# Altium PCB Transfer_V1_Pcb.PcbDoc (part 2 of 2)
Units mm, origin at the board's own origin, x right, y up, seen from the top; angles counter-clockwise.
Board outline 70 x 58.85 mm, 2 copper layers (Top Layer, Bottom Layer); 264 components, 30 nets, 720 pads, 84 vias.
Unrouted connection lines stored in the file: 1.
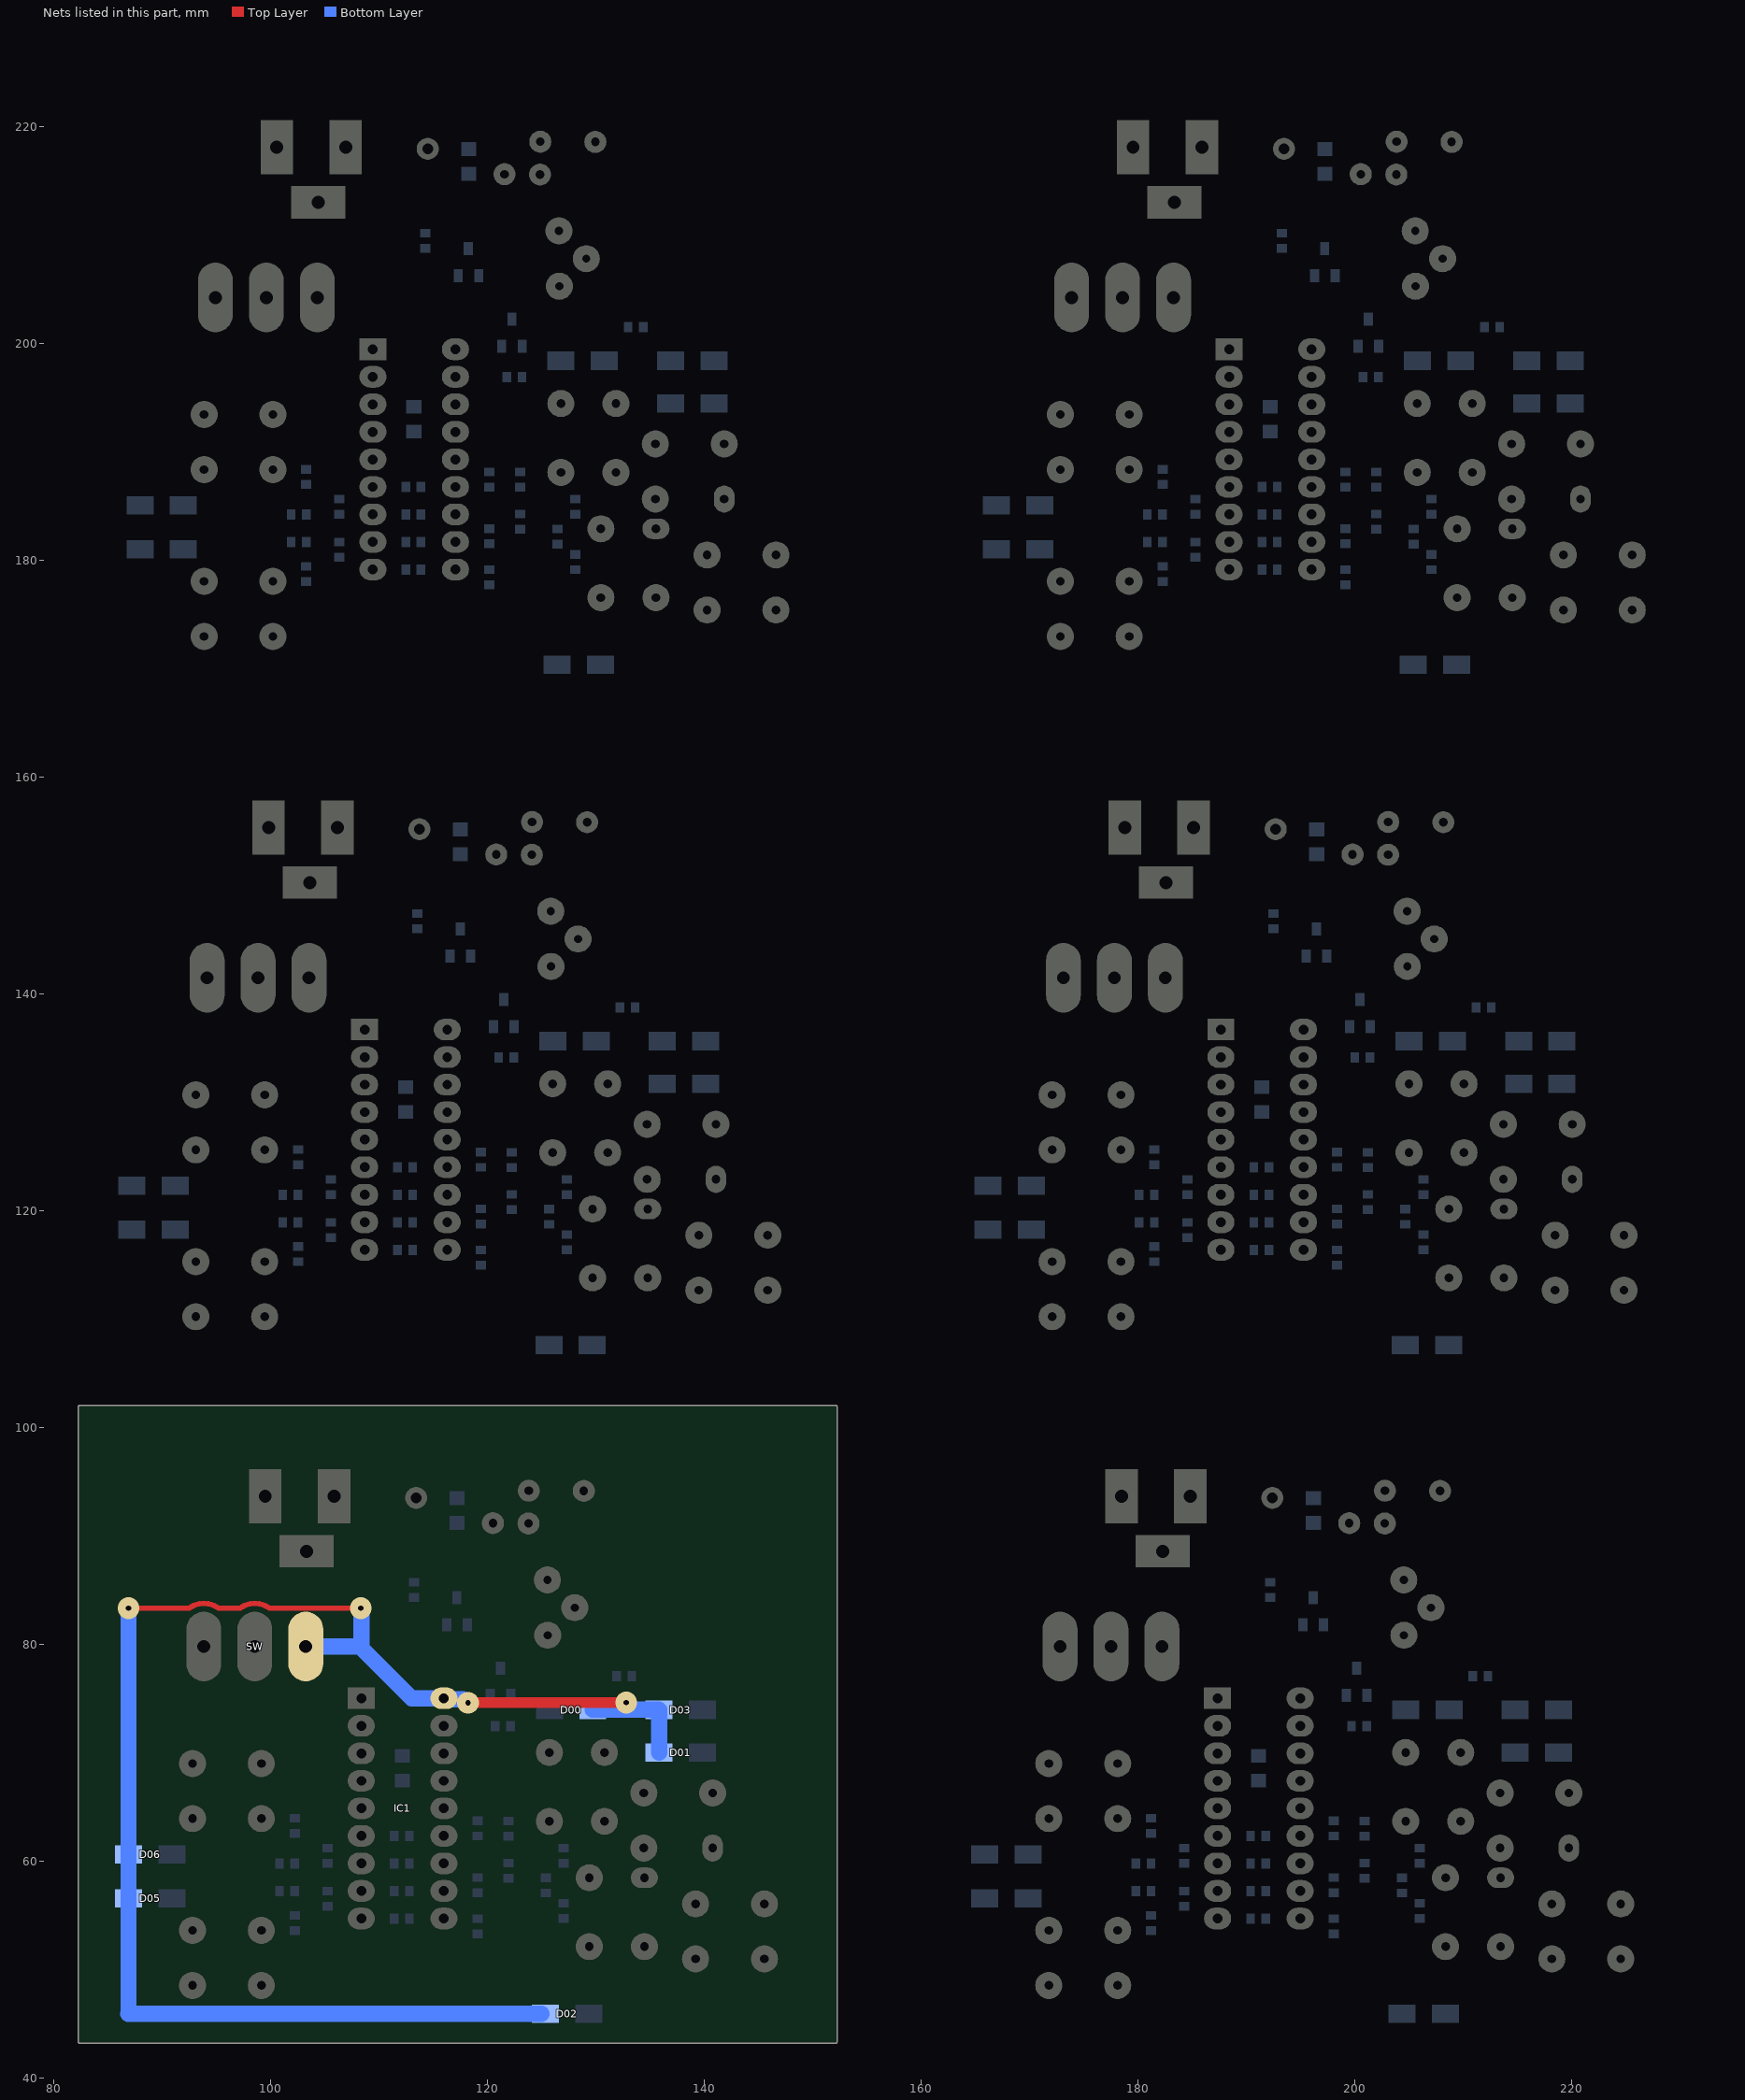
[diagram p2: the nets of this part, all layers, seen from the top]

## Via types
v1: diameter 2, hole 0.5, Top Layer to Bottom Layer, 72 vias
v2: diameter 2, hole 0.8, Top Layer to Bottom Layer, 6 vias
v3: diameter 1, hole 0.5, Top Layer to Bottom Layer, 6 vias

## Nets (pads, with @x,y where several pads share a name; then routed paths per layer and width w, separated by ;. In a path a pad name is that pad's centre, name@x,y a point inside that pad or via, vN(x,y) a via of type N, cw(c..) or ccw(c..) an arc to the next point about the centre after c; other vN are vias at no path point) (continued)
VCC: D00.2 D01.2 D02.2 D03.2 D05.2 D06.2 IC1.18 SW.1 | length 143.6
  Top Layer w0.5: v1@87.122,83.312 92.488,83.312 cw(c93.853,81.389) 95.218,83.312 97.188,83.312 cw(c98.553,81.389) 99.918,83.312 v1@108.06,83.312
  Top Layer w1: v1(86.9,83.312) 86.9,83.128 86.919,83.109 v1@87.122,83.312 ; v1@108.06,83.312 v1(108.331,83.312) ; v1(118.225,74.581) 118.244,74.6 v1(132.807,74.6)
  Bottom Layer w1.5: v1(86.9,83.312) D06.2@86.9,60.604 D05.2@86.9,56.54 86.9,45.904 86.893,45.898 D02.2@124.993,45.898 ; SW.1@103.253,79.781 108.412,79.781 108.412,83.231 v1(108.331,83.312) ; 108.333,79.703 113.03,75.006 IC1.18@116.002,75.006 116.097,74.911 117.761,74.911 118.09,74.581 v1(118.225,74.581) ; D00.2@129.737,73.939 129.762,73.965 v1@132.817,73.965 ; v1(132.807,74.6) 132.817,74.59 v1@132.817,73.965 ; D01.2@135.846,70 D03.2@135.846,73.939 135.82,73.965 v1@132.817,73.965
pads on no net: 12V_1.1 12V_1.2 12V_1.3 12V_1_1.1 12V_1_1.2 12V_1_1.3 12V_2.1 12V_2.2 12V_2.3 12V_2_1.1 12V_2_1.2 12V_2_1.3 12V_3.1 12V_3.2 12V_3.3 ANT_1.TP1 ANT_1_1.TP1 ANT_2.TP1 ANT_2_1.TP1 ANT_3.TP1 C00_1.1 C00_1.2 C00_1_1.1 C00_1_1.2 C00_2.1 C00_2.2 C00_2_1.1 C00_2_1.2 C00_3.1 C00_3.2 C01_1.1 C01_1.2 C01_1_1.1 C01_1_1.2 C01_2.1 C01_2.2 C01_2_1.1 C01_2_1.2 C01_3.1 C01_3.2 C02_1.1 C02_1.2 C02_1_1.1 C02_1_1.2 C02_2.1 C02_2.2 C02_2_1.1 C02_2_1.2 C02_3.1 C02_3.2 C03_1.1 C03_1.2 C03_1_1.1 C03_1_1.2 C03_2.1 C03_2.2 C03_2_1.1 C03_2_1.2 C03_3.1 C03_3.2 C04_1.1 C04_1.2 C04_1_1.1 C04_1_1.2 C04_2.1 C04_2.2 C04_2_1.1 C04_2_1.2 C04_3.1 C04_3.2 C05_1.1 C05_1.2 C05_1_1.1 C05_1_1.2 C05_2.1 C05_2.2 C05_2_1.1 C05_2_1.2 C05_3.1 C05_3.2 C06_1.1 C06_1.2 C06_1_1.1 C06_1_1.2 C06_2.1 C06_2.2 C06_2_1.1 C06_2_1.2 C06_3.1 C06_3.2 C07_1.1 C07_1.2 C07_1_1.1 C07_1_1.2 C07_2.1 C07_2.2 C07_2_1.1 C07_2_1.2 C07_3.1 C07_3.2 D00_1.1 D00_1.2 D00_1_1.1 D00_1_1.2 D00_2.1 D00_2.2 D00_2_1.1 D00_2_1.2 D00_3.1 D00_3.2 D01_1.1 D01_1.2 D01_1_1.1 D01_1_1.2 D01_2.1 D01_2.2 D01_2_1.1 D01_2_1.2 D01_3.1 D01_3.2 D02_1.1 D02_1.2 D02_1_1.1 D02_1_1.2 D02_2.1 D02_2.2 D02_2_1.1 D02_2_1.2 D02_3.1 D02_3.2 D03_1.1 D03_1.2 D03_1_1.1 D03_1_1.2 D03_2.1 D03_2.2 D03_2_1.1 D03_2_1.2 D03_3.1 D03_3.2 D05_1.1 D05_1.2 D05_1_1.1 D05_1_1.2 D05_2.1 D05_2.2 D05_2_1.1 D05_2_1.2 D05_3.1 D05_3.2 D06_1.1 D06_1.2 D06_1_1.1 D06_1_1.2 D06_2.1 D06_2.2 D06_2_1.1 D06_2_1.2 D06_3.1 D06_3.2 IC1_1.1 IC1_1.2 IC1_1.3 IC1_1.4 IC1_1.5 IC1_1.6 IC1_1.7 IC1_1.8 IC1_1.9 IC1_1.10 IC1_1.11 IC1_1.12 IC1_1.13 IC1_1.14 IC1_1.15 IC1_1.16 IC1_1.17 IC1_1.18 IC1_1_1.1 IC1_1_1.2 IC1_1_1.3 IC1_1_1.4 IC1_1_1.5 IC1_1_1.6 IC1_1_1.7 IC1_1_1.8 IC1_1_1.9 IC1_1_1.10 IC1_1_1.11 IC1_1_1.12 IC1_1_1.13 IC1_1_1.14 IC1_1_1.15 IC1_1_1.16 IC1_1_1.17 IC1_1_1.18 IC1_2.1 IC1_2.2 IC1_2.3 IC1_2.4 IC1_2.5 IC1_2.6 IC1_2.7 IC1_2.8 IC1_2.9 IC1_2.10 IC1_2.11 IC1_2.12 IC1_2.13 IC1_2.14 IC1_2.15 IC1_2.16 IC1_2.17 IC1_2.18 IC1_2_1.1 IC1_2_1.2 IC1_2_1.3 IC1_2_1.4 IC1_2_1.5 IC1_2_1.6 IC1_2_1.7 IC1_2_1.8 IC1_2_1.9 IC1_2_1.10 IC1_2_1.11 IC1_2_1.12 IC1_2_1.13 IC1_2_1.14 IC1_2_1.15 IC1_2_1.16 IC1_2_1.17 IC1_2_1.18 IC1_3.1 IC1_3.2 IC1_3.3 IC1_3.4 IC1_3.5 IC1_3.6 IC1_3.7 IC1_3.8 IC1_3.9 IC1_3.10 IC1_3.11 IC1_3.12 IC1_3.13 IC1_3.14 IC1_3.15 IC1_3.16 IC1_3.17 IC1_3.18 L1_1.1 L1_1.2 L1_1_1.1 L1_1_1.2 L1_2.1 L1_2.2 L1_2_1.1 L1_2_1.2 L1_3.1 L1_3.2 L2_1.1 L2_1.2 L2_1_1.1 L2_1_1.2 L2_2.1 L2_2.2 L2_2_1.1 L2_2_1.2 L2_3.1 L2_3.2 Q1_1.1 Q1_1.2 Q1_1.3 Q1_1_1.1 Q1_1_1.2 Q1_1_1.3 Q1_2.1 Q1_2.2 Q1_2.3 Q1_2_1.1 Q1_2_1.2 Q1_2_1.3 Q1_3.1 Q1_3.2 Q1_3.3 Q2_1.1 Q2_1.2 Q2_1.3 Q2_1_1.1 Q2_1_1.2 Q2_1_1.3 Q2_2.1 Q2_2.2 Q2_2.3 Q2_2_1.1 Q2_2_1.2 Q2_2_1.3 Q2_3.1 Q2_3.2 Q2_3.3 R00_1.1 R00_1.2 R00_1_1.1 R00_1_1.2 R00_2.1 R00_2.2 R00_2_1.1 R00_2_1.2 R00_3.1 R00_3.2 R01_1.1 R01_1.2 R01_1_1.1 R01_1_1.2 R01_2.1 R01_2.2 R01_2_1.1 R01_2_1.2 R01_3.1 R01_3.2 R02_1.1 R02_1.2 R02_1_1.1 R02_1_1.2 R02_2.1 R02_2.2 R02_2_1.1 R02_2_1.2 R02_3.1 R02_3.2 R03_1.1 R03_1.2 R03_1_1.1 R03_1_1.2 R03_2.1 R03_2.2 R03_2_1.1 R03_2_1.2 R03_3.1 R03_3.2 R04_1.1 R04_1.2 R04_1_1.1 R04_1_1.2 R04_2.1 R04_2.2 R04_2_1.1 R04_2_1.2 R04_3.1 R04_3.2 R05_1.1 R05_1.2 R05_1_1.1 R05_1_1.2 R05_2.1 R05_2.2 R05_2_1.1 R05_2_1.2 R05_3.1 R05_3.2 R06_1.1 R06_1.2 R06_1_1.1 R06_1_1.2 R06_2.1 R06_2.2 R06_2_1.1 R06_2_1.2 R06_3.1 R06_3.2 R07_1.1 R07_1.2 R07_1_1.1 R07_1_1.2 R07_2.1 R07_2.2 R07_2_1.1 R07_2_1.2 R07_3.1 R07_3.2 R08_1.1 R08_1.2 R08_1_1.1 R08_1_1.2 R08_2.1 R08_2.2 R08_2_1.1 R08_2_1.2 R08_3.1 R08_3.2 R09_1.1 R09_1.2 R09_1_1.1 R09_1_1.2 R09_2.1 R09_2.2 R09_2_1.1 R09_2_1.2 R09_3.1 R09_3.2 R10_1.1 R10_1.2 R10_1_1.1 R10_1_1.2 R10_2.1 R10_2.2 R10_2_1.1 R10_2_1.2 R10_3.1 R10_3.2 R11_1.1 R11_1.2 R11_1_1.1 R11_1_1.2 R11_2.1 R11_2.2 R11_2_1.1 R11_2_1.2 R11_3.1 R11_3.2 R12_1.1 R12_1.2 R12_1_1.1 R12_1_1.2 R12_2.1 R12_2.2 R12_2_1.1 R12_2_1.2 R12_3.1 R12_3.2 R13_1.1 R13_1.2 R13_1_1.1 R13_1_1.2 R13_2.1 R13_2.2 R13_2_1.1 R13_2_1.2 R13_3.1 R13_3.2 R14_1.1 R14_1.2 R14_1_1.1 R14_1_1.2 R14_2.1 R14_2.2 R14_2_1.1 R14_2_1.2 R14_3.1 R14_3.2 R315_1.1 R315_1.2 R315_1.3 R315_1_1.1 R315_1_1.2 R315_1_1.3 R315_2.1 R315_2.2 R315_2.3 R315_2_1.1 R315_2_1.2 R315_2_1.3 R315_3.1 R315_3.2 R315_3.3 SW0_1.1 SW0_1.2 SW0_1.3 SW0_1.4 SW0_1_1.1 SW0_1_1.2 SW0_1_1.3 SW0_1_1.4 SW0_2.1 SW0_2.2 SW0_2.3 SW0_2.4 SW0_2_1.1 SW0_2_1.2 SW0_2_1.3 SW0_2_1.4 SW0_3.1 SW0_3.2 SW0_3.3 SW0_3.4 SW1_1.1 SW1_1.2 SW1_1.3 SW1_1.4 SW1_1_1.1 SW1_1_1.2 SW1_1_1.3 SW1_1_1.4 SW1_2.1 SW1_2.2 SW1_2.3 SW1_2.4 SW1_2_1.1 SW1_2_1.2 SW1_2_1.3 SW1_2_1.4 SW1_3.1 SW1_3.2 SW1_3.3 SW1_3.4 SW2.3 SW2_1.1 SW2_1.2 SW2_1.3 SW2_1.4 SW2_1_1.1 SW2_1_1.2 SW2_1_1.3 SW2_1_1.4 SW2_2.1 SW2_2.2 SW2_2.3 SW2_2.4 SW2_2_1.1 SW2_2_1.2 SW2_2_1.3 SW2_2_1.4 SW2_3.1 SW2_3.2 SW2_3.3 SW2_3.4 SW3_1.1 SW3_1.2 SW3_1.3 SW3_1.4 SW3_1_1.1 SW3_1_1.2 SW3_1_1.3 SW3_1_1.4 SW3_2.1 SW3_2.2 SW3_2.3 SW3_2.4 SW3_2_1.1 SW3_2_1.2 SW3_2_1.3 SW3_2_1.4 SW3_3.1 SW3_3.2 SW3_3.3 SW3_3.4 SW4_1.1 SW4_1.2 SW4_1.3 SW4_1.4 SW4_1_1.1 SW4_1_1.2 SW4_1_1.3 SW4_1_1.4 SW4_2.1 SW4_2.2 SW4_2.3 SW4_2.4 SW4_2_1.1 SW4_2_1.2 SW4_2_1.3 SW4_2_1.4 SW4_3.1 SW4_3.2 SW4_3.3 SW4_3.4 SW5_1.1 SW5_1.2 SW5_1.3 SW5_1.4 SW5_1_1.1 SW5_1_1.2 SW5_1_1.3 SW5_1_1.4 SW5_2.1 SW5_2.2 SW5_2.3 SW5_2.4 SW5_2_1.1 SW5_2_1.2 SW5_2_1.3 SW5_2_1.4 SW5_3.1 SW5_3.2 SW5_3.3 SW5_3.4 SW_1.1 SW_1.2 SW_1.3 SW_1_1.1 SW_1_1.2 SW_1_1.3 SW_2.1 SW_2.2 SW_2.3 SW_2_1.1 SW_2_1.2 SW_2_1.3 SW_3.1 SW_3.2 SW_3.3
copper on no net: | length 3732.5
  Top Layer w0.5: v1@87.427,145.009 92.793,145.009 cw(c94.158,143.086) 95.523,145.009 97.493,145.009 cw(c98.858,143.086) 100.223,145.009 v1@108.365,145.009 ; v1@88.189,207.772 93.555,207.772 cw(c94.92,205.849) 96.285,207.772 98.255,207.772 cw(c99.62,205.849) 100.985,207.772 v1@109.127,207.772 ; v1@166.116,83.312 171.482,83.312 cw(c172.847,81.389) 174.212,83.312 176.182,83.312 cw(c177.547,81.389) 178.912,83.312 v1@187.054,83.312 ; v1@166.421,145.009 171.787,145.009 cw(c173.152,143.086) 174.517,145.009 176.487,145.009 cw(c177.852,143.086) 179.217,145.009 v1@187.359,145.009 ; v1@167.183,207.772 172.549,207.772 cw(c173.914,205.849) 175.279,207.772 177.249,207.772 cw(c178.614,205.849) 179.979,207.772 v1@188.121,207.772
  Top Layer w0.686: v1(110.211,147.676) v1(120.091,147.676) ; v1(110.211,154.229) 110.261,154.28 110.261,161.824 v1(110.312,161.874) ; v1(110.973,210.439) v1(120.853,210.439) ; v1(110.973,216.992) 111.023,217.043 111.023,224.587 v1(111.074,224.638) ; v1(113.538,150.266) v1(128.194,150.266) ; v1(114.3,213.03) v1(128.956,213.03) ; v3(123.8,120.071) v1(123.8,129.438) ; v3(124.562,182.834) v1(124.562,192.202) ; v1(188.9,85.979) v1(198.78,85.979) ; v1(188.9,92.532) 188.951,92.583 188.951,100.127 v1(189.001,100.178) ; v1(189.205,147.676) v1(199.085,147.676) ; v1(189.205,154.229) 189.255,154.28 189.255,161.824 v1(189.306,161.874) ; v1(189.967,210.439) v1(199.847,210.439) ; v1(189.967,216.992) 190.017,217.043 190.017,224.587 v1(190.068,224.638) ; v1(192.227,88.57) v1(206.883,88.57) ; v1(192.532,150.266) v1(207.188,150.266) ; v1(193.294,213.03) v1(207.95,213.03) ; v3(202.489,58.374) v1(202.489,67.742) ; v3(202.794,120.071) v1(202.794,129.438) ; v3(203.556,182.834) v1(203.556,192.202)
  Top Layer w1: v1(87.205,145.009) 87.205,144.824 87.224,144.805 v1@87.427,145.009 ; v1(87.967,207.772) 87.967,207.588 87.986,207.569 v1@88.189,207.772 ; v1@108.365,145.009 v1(108.636,145.009) ; v1@109.127,207.772 v1(109.398,207.772) ; v1(118.53,136.278) 118.549,136.297 v1(133.112,136.297) ; v1(119.292,199.041) 119.311,199.06 v1(133.874,199.06) ; v2(133.299,130.073) v1(149.174,130.074) ; v2(134.061,192.837) v1(149.936,192.837) ; v1(165.894,83.312) 165.894,83.128 165.913,83.109 v1@166.116,83.312 ; v1(166.199,145.009) 166.199,144.824 166.218,144.805 v1@166.421,145.009 ; v1(166.961,207.772) 166.961,207.588 166.98,207.569 v1@167.183,207.772 ; v1@187.054,83.312 v1(187.325,83.312) ; v1@187.359,145.009 v1(187.63,145.009) ; v1@188.121,207.772 v1(188.392,207.772) ; v1(197.219,74.581) 197.238,74.6 v1(211.801,74.6) ; v1(197.524,136.278) 197.543,136.297 v1(212.106,136.297) ; v1(198.286,199.041) 198.305,199.06 v1(212.868,199.06) ; v2(211.988,68.377) v1(227.863,68.377) ; v2(212.293,130.073) v1(228.168,130.074) ; v2(213.055,192.837) v1(228.93,192.837)
  Bottom Layer w0.686: 94.157,141.072 93.878,140.793 93.878,136.423 96.139,134.163 108.687,134.163 108.687,131.623 108.687,129.083 108.687,126.543 ; 94.919,203.835 94.64,203.557 94.64,199.187 96.901,196.926 109.449,196.926 109.449,194.386 109.449,191.846 109.449,189.306 ; 99.466,115.291 99.473,115.284 102.533,115.284 102.54,115.276 ; 99.466,125.603 99.466,125.654 99.504,125.616 102.527,125.616 102.54,125.628 ; 100.228,178.054 100.235,178.047 103.295,178.047 103.302,178.04 ; 100.228,188.366 100.228,188.417 100.266,188.379 103.289,188.379 103.302,188.392 ; 101.14,118.923 101.143,118.926 101.143,121.463 ; 101.902,181.686 101.905,181.689 101.905,184.226 ; 102.54,116.676 102.54,118.923 108.687,118.923 ; 102.54,124.228 102.54,121.463 108.687,121.463 ; 103.302,179.44 103.302,181.686 109.449,181.686 ; 103.302,186.992 103.302,184.226 109.449,184.226 ; 105.588,117.512 105.588,116.408 105.613,116.383 108.687,116.383 111.72,116.383 ; 105.588,122.874 105.588,126.116 105.99,126.517 ; 105.99,126.543 108.687,126.543 ; 106.35,180.275 106.35,179.172 106.375,179.146 109.449,179.146 112.482,179.146 ; 106.35,185.637 106.35,188.879 106.752,189.281 ; 106.752,189.306 109.449,189.306 ; 108.687,124.003 108.687,126.484 108.746,126.543 108.687,126.543 ; 109.449,186.766 109.449,189.247 109.508,189.306 109.449,189.306 ; 112.471,129.108 112.522,129.159 116.23,129.159 116.307,129.083 ; 112.471,131.394 112.585,131.508 116.192,131.508 116.307,131.623 ; 113.12,116.38 119.405,116.38 127.356,116.38 ; 113.12,118.923 116.307,118.923 116.789,118.923 116.956,118.756 117.842,118.756 118.124,118.747 118.169,118.746 118.18,118.745 119.273,118.745 119.405,118.756 119.48,118.756 119.538,118.699 119.782,118.699 119.939,118.542 125.441,118.542 125.63,118.731 125.705,118.731 ; 113.12,121.463 116.307,121.463 ; 113.12,124.003 113.135,123.989 119.405,123.989 122.236,123.989 122.25,123.974 ; 113.233,191.872 113.284,191.922 116.992,191.922 117.069,191.846 ; 113.233,194.158 113.347,194.272 116.954,194.272 117.069,194.386 ; 113.538,146.01 113.538,141.58 115.641,139.477 116.586,139.477 ; 113.538,147.41 v1(113.538,150.266) ; 113.741,155.194 113.754,155.181 117.513,155.181 117.526,155.169 ; 113.882,179.143 120.167,179.143 128.118,179.143 ; 113.882,181.686 117.069,181.686 117.551,181.686 117.718,181.52 118.604,181.52 118.886,181.511 118.931,181.509 118.942,181.509 120.035,181.509 120.167,181.52 120.242,181.52 120.3,181.462 120.544,181.462 120.701,181.305 126.203,181.305 126.392,181.494 126.467,181.494 ; 113.882,184.226 117.069,184.226 ; 113.882,186.766 113.897,186.752 120.167,186.752 122.998,186.752 123.012,186.738 ; 114.3,208.774 114.3,204.343 116.403,202.24 117.348,202.24 ; 114.3,210.174 v1(114.3,213.03) ; 114.503,217.957 114.516,217.945 118.275,217.945 118.288,217.932 ; 116.307,121.502 122.25,121.502 122.261,121.514 127.316,121.514 127.356,121.474 ; 116.307,134.163 116.332,134.137 121.042,134.137 ; 116.561,143.485 116.586,143.459 116.586,139.477 ; 117.069,184.266 123.012,184.266 123.023,184.277 128.078,184.277 128.118,184.237 ; 117.069,196.926 117.094,196.901 121.804,196.901 ; 117.323,206.248 117.348,206.223 117.348,202.24 ; 117.492,138.291 119.44,138.291 120.574,137.157 120.574,136.982 ; 117.5,145.979 117.513,145.992 117.513,152.718 117.602,152.806 120.781,152.806 120.829,152.855 ; 118.254,201.054 120.202,201.054 121.336,199.921 121.336,199.746 ; 118.262,208.743 118.275,208.755 118.275,215.481 118.364,215.57 121.543,215.57 121.591,215.618 ; 118.45,143.479 118.533,143.397 118.533,142.753 118.842,142.443 125.806,142.443 125.882,142.519 129.667,138.735 132.232,138.735 ; 119.212,206.243 119.295,206.16 119.295,205.516 119.604,205.207 126.568,205.207 126.644,205.283 130.429,201.498 132.994,201.498 ; 119.405,114.972 119.355,114.921 119.355,113.991 118.953,113.589 112.111,113.589 111.709,113.991 111.709,116.251 111.72,116.262 111.72,116.383 ; 119.405,120.156 119.432,120.129 122.223,120.129 122.266,120.087 123.784,120.087 v3(123.8,120.071) ; 119.405,125.389 119.431,125.414 119.431,126.543 116.307,126.543 115.722,126.543 115.672,126.492 115.672,126.482 115.63,126.441 112.162,126.441 111.72,126 111.72,124.003 111.72,121.463 111.72,118.923 111.72,116.383 ; 120.167,177.735 120.117,177.684 120.117,176.754 119.715,176.352 112.873,176.352 112.471,176.754 112.471,179.014 112.482,179.025 112.482,179.146 ; 120.167,182.92 120.194,182.893 122.985,182.893 123.028,182.85 124.546,182.85 v3(124.562,182.834) ; 120.167,188.152 120.193,188.177 120.193,189.306 117.069,189.306 116.484,189.306 116.434,189.255 116.434,189.246 116.392,189.205 112.924,189.205 112.482,188.763 112.482,186.766 112.482,184.226 112.482,181.686 112.482,179.146 ; 121.514,139.477 116.586,139.477 ; 122.25,125.374 122.263,125.362 126.022,125.362 126.035,125.349 126.111,125.425 ; 122.276,202.24 117.348,202.24 ; 122.442,134.137 122.453,134.148 122.453,136.966 122.464,136.977 ; 123.012,188.138 123.025,188.125 126.784,188.125 126.797,188.112 126.873,188.189 ; 123.204,196.901 123.215,196.912 123.215,199.729 123.226,199.74 ; 124.109,152.832 124.12,152.842 124.12,155.844 124.13,155.854 ; 124.871,215.595 124.882,215.606 124.882,218.608 124.892,218.618 ; 125.705,120.138 129.714,120.138 129.718,120.142 ; 126.035,131.699 126.111,131.623 ; 126.035,135.629 126.041,135.636 ; 126.467,182.901 130.476,182.901 130.48,182.905 ; 126.797,194.462 126.873,194.386 ; 126.797,198.393 126.803,198.399 ; 127.356,117.78 138.786,117.78 138.836,117.729 ; 127.356,122.874 127.361,122.88 134.741,122.88 134.747,122.885 ; 128.118,180.543 139.548,180.543 139.598,180.492 ; 128.118,185.637 128.123,185.643 135.503,185.643 135.509,185.649 ; v1@128.372,150.068 128.372,145.059 131.267,145.059 133.632,142.694 133.632,138.735 ; v1@129.134,212.832 129.134,207.823 132.029,207.823 134.394,205.458 134.394,201.498 ; 129.21,159.309 129.261,159.36 ; 129.972,222.072 130.023,222.123 ; 172.846,79.375 172.568,79.097 172.568,74.727 174.828,72.466 187.376,72.466 187.376,69.926 187.376,67.386 187.376,64.846 ; 173.151,141.072 172.872,140.793 172.872,136.423 175.133,134.163 187.681,134.163 187.681,131.623 187.681,129.083 187.681,126.543 ; 173.913,203.835 173.634,203.557 173.634,199.187 175.895,196.926 188.443,196.926 188.443,194.386 188.443,191.846 188.443,189.306 ; 178.156,53.594 178.163,53.587 181.222,53.587 181.229,53.58 ; 178.156,63.906 178.156,63.957 178.194,63.919 181.216,63.919 181.229,63.932 ; 178.46,115.291 178.467,115.284 181.527,115.284 181.534,115.276 ; 178.46,125.603 178.46,125.654 178.498,125.616 181.521,125.616 181.534,125.628 ; 179.222,178.054 179.229,178.047 182.289,178.047 182.296,178.04 ; 179.222,188.366 179.222,188.417 179.26,188.379 182.283,188.379 182.296,188.392 ; 179.829,57.226 179.832,57.229 179.832,59.766 ; 180.134,118.923 180.137,118.926 180.137,121.463 ; 180.896,181.686 180.899,181.689 180.899,184.226 ; 181.229,54.98 181.229,57.226 187.376,57.226 ; 181.229,62.532 181.229,59.766 187.376,59.766 ; 181.534,116.676 181.534,118.923 187.681,118.923 ; 181.534,124.228 181.534,121.463 187.681,121.463 ; 182.296,179.44 182.296,181.686 188.443,181.686 ; 182.296,186.992 182.296,184.226 188.443,184.226 ; 184.277,55.815 184.277,54.712 184.302,54.686 187.376,54.686 190.41,54.686 ; 184.277,61.177 184.277,64.419 184.679,64.821 ; 184.582,117.512 184.582,116.408 184.607,116.383 187.681,116.383 190.714,116.383 ; 184.582,122.874 184.582,126.116 184.984,126.517 ; 184.679,64.846 187.376,64.846 ; 184.984,126.543 187.681,126.543 ; 185.344,180.275 185.344,179.172 185.369,179.146 188.443,179.146 191.476,179.146 ; 185.344,185.637 185.344,188.879 185.746,189.281 ; 185.746,189.306 188.443,189.306 ; 187.376,62.306 187.376,64.787 187.435,64.846 187.376,64.846 ; 187.681,124.003 187.681,126.484 187.74,126.543 187.681,126.543 ; 188.443,186.766 188.443,189.247 188.502,189.306 188.443,189.306 ; 191.16,67.412 191.211,67.462 194.92,67.462 194.996,67.386 ; 191.16,69.698 191.275,69.812 194.881,69.812 194.996,69.926 ; 191.465,129.108 191.516,129.159 195.224,129.159 195.301,129.083 ; 191.465,131.394 191.579,131.508 195.186,131.508 195.301,131.623 ; 191.81,54.683 198.095,54.683 206.045,54.683 ; 191.81,57.226 194.996,57.226 195.478,57.226 195.645,57.06 196.531,57.06 196.813,57.051 196.858,57.049 196.869,57.049 197.962,57.049 198.095,57.06 198.17,57.06 198.227,57.002 198.471,57.002 198.628,56.845 204.13,56.845 204.319,57.034 204.394,57.034 ; 191.81,59.766 194.996,59.766 ; 191.81,62.306 191.824,62.292 198.095,62.292 200.925,62.292 200.939,62.278 ; 192.114,116.38 198.399,116.38 206.35,116.38 ; 192.114,118.923 195.301,118.923 195.783,118.923 195.95,118.756 196.836,118.756 197.118,118.747 197.163,118.746 197.174,118.745 198.267,118.745 198.399,118.756 198.474,118.756 198.532,118.699 198.776,118.699 198.933,118.542 204.435,118.542 204.624,118.731 204.699,118.731 ; 192.114,121.463 195.301,121.463 ; 192.114,124.003 192.129,123.989 198.399,123.989 201.23,123.989 201.244,123.974 ; 192.227,84.314 192.227,79.883 194.33,77.78 195.275,77.78 ; 192.227,85.714 v1(192.227,88.57) ; 192.227,191.872 192.278,191.922 195.986,191.922 196.063,191.846 ; 192.227,194.158 192.341,194.272 195.948,194.272 196.063,194.386 ; 192.43,93.497 192.443,93.485 196.202,93.485 196.215,93.472 ; 192.532,146.01 192.532,141.58 194.635,139.477 195.58,139.477 ; 192.532,147.41 v1(192.532,150.266) ; 192.735,155.194 192.748,155.181 196.507,155.181 196.52,155.169 ; 192.876,179.143 199.161,179.143 207.112,179.143 ; 192.876,181.686 196.063,181.686 196.545,181.686 196.712,181.52 197.598,181.52 197.88,181.511 197.925,181.509 197.936,181.509 199.029,181.509 199.161,181.52 199.236,181.52 199.294,181.462 199.538,181.462 199.695,181.305 205.197,181.305 205.386,181.494 205.461,181.494 ; 192.876,184.226 196.063,184.226 ; 192.876,186.766 192.891,186.752 199.161,186.752 201.992,186.752 202.006,186.738 ; 193.294,208.774 193.294,204.343 195.397,202.24 196.342,202.24 ; 193.294,210.174 v1(193.294,213.03) ; 193.497,217.957 193.51,217.945 197.269,217.945 197.282,217.932 ; 194.996,59.806 200.939,59.806 200.951,59.817 206.005,59.817 206.045,59.777 ; 194.996,72.466 195.021,72.441 199.731,72.441 ; 195.25,81.788 195.275,81.763 195.275,77.78 ; 195.301,121.502 201.244,121.502 201.255,121.514 206.31,121.514 206.35,121.474 ; 195.301,134.163 195.326,134.137 200.036,134.137 ; 195.555,143.485 195.58,143.459 195.58,139.477 ; 196.063,184.266 202.006,184.266 202.017,184.277 207.072,184.277 207.112,184.237 ; 196.063,196.926 196.088,196.901 200.798,196.901 ; 196.181,76.594 198.129,76.594 199.263,75.461 199.263,75.286 ; 196.19,84.283 196.202,84.295 196.202,91.021 196.291,91.11 199.47,91.11 199.519,91.158 ; 196.317,206.248 196.342,206.223 196.342,202.24 ; 196.486,138.291 198.434,138.291 199.568,137.157 199.568,136.982 ; 196.494,145.979 196.507,145.992 196.507,152.718 196.596,152.806 199.775,152.806 199.823,152.855 ; 197.14,81.783 197.222,81.7 197.222,81.056 197.531,80.747 204.495,80.747 204.572,80.823 208.356,77.038 210.922,77.038 ; 197.248,201.054 199.196,201.054 200.33,199.921 200.33,199.746 ; 197.256,208.743 197.269,208.755 197.269,215.481 197.358,215.57 200.537,215.57 200.585,215.618 ; 197.444,143.479 197.527,143.397 197.527,142.753 197.836,142.443 204.8,142.443 204.876,142.519 208.661,138.735 211.226,138.735 ; 198.095,53.275 198.044,53.224 198.044,52.294 197.642,51.892 190.8,51.892 190.398,52.294 190.398,54.554 190.41,54.565 190.41,54.686 ; 198.095,58.46 198.122,58.433 200.912,58.433 200.955,58.39 202.473,58.39 v3(202.489,58.374) ; 198.095,63.692 198.12,63.717 198.12,64.846 194.996,64.846 194.412,64.846 194.361,64.795 194.361,64.786 194.32,64.745 190.851,64.745 190.41,64.303 190.41,62.306 190.41,59.766 190.41,57.226 190.41,54.686 ; 198.206,206.243 198.289,206.16 198.289,205.516 198.598,205.207 205.562,205.207 205.638,205.283 209.423,201.498 211.988,201.498 ; 198.399,114.972 198.349,114.921 198.349,113.991 197.947,113.589 191.105,113.589 190.703,113.991 190.703,116.251 190.714,116.262 190.714,116.383 ; 198.399,120.156 198.426,120.129 201.217,120.129 201.26,120.087 202.778,120.087 v3(202.794,120.071) ; 198.399,125.389 198.425,125.414 198.425,126.543 195.301,126.543 194.716,126.543 194.666,126.492 194.666,126.482 194.624,126.441 191.156,126.441 190.714,126 190.714,124.003 190.714,121.463 190.714,118.923 190.714,116.383 ; 199.161,177.735 199.111,177.684 199.111,176.754 198.709,176.352 191.867,176.352 191.465,176.754 191.465,179.014 191.476,179.025 191.476,179.146 ; 199.161,182.92 199.188,182.893 201.979,182.893 202.022,182.85 203.54,182.85 v3(203.556,182.834) ; 199.161,188.152 199.187,188.177 199.187,189.306 196.063,189.306 195.478,189.306 195.428,189.255 195.428,189.246 195.386,189.205 191.918,189.205 191.476,188.763 191.476,186.766 191.476,184.226 191.476,181.686 191.476,179.146 ; 200.203,77.78 195.275,77.78 ; 200.508,139.477 195.58,139.477 ; 200.939,63.678 200.952,63.665 204.711,63.665 204.724,63.652 204.8,63.729 ; 201.131,72.441 201.142,72.452 201.142,75.269 201.153,75.28 ; 201.244,125.374 201.257,125.362 205.016,125.362 205.029,125.349 205.105,125.425 ; 201.27,202.24 196.342,202.24 ; 201.436,134.137 201.447,134.148 201.447,136.966 201.458,136.977 ; 202.006,188.138 202.019,188.125 205.778,188.125 205.791,188.112 205.867,188.189 ; 202.198,196.901 202.209,196.912 202.209,199.729 202.22,199.74 ; 202.799,91.135 202.809,91.146 202.809,94.148 202.819,94.158 ; 203.103,152.832 203.114,152.842 203.114,155.844 203.124,155.854 ; 203.865,215.595 203.876,215.606 203.876,218.608 203.886,218.618 ; 204.394,58.441 208.403,58.441 208.407,58.445 ; 204.699,120.138 208.708,120.138 208.712,120.142 ; 204.724,70.002 204.8,69.926 ; 204.724,73.933 204.731,73.939 ; 205.029,131.699 205.105,131.623 ; 205.029,135.629 205.035,135.636 ; 205.461,182.901 209.47,182.901 209.474,182.905 ; 205.791,194.462 205.867,194.386 ; 205.791,198.393 205.797,198.399 ; 206.045,56.083 217.475,56.083 217.526,56.032 ; 206.045,61.177 206.05,61.183 213.431,61.183 213.436,61.189 ; 206.35,117.78 217.78,117.78 217.83,117.729 ; 206.35,122.874 206.355,122.88 213.735,122.88 213.741,122.885 ; v1@207.061,88.372 207.061,83.363 209.956,83.363 212.322,80.998 212.322,77.038 ; 207.112,180.543 218.542,180.543 218.592,180.492 ; 207.112,185.637 207.117,185.643 214.497,185.643 214.503,185.649 ; v1@207.366,150.068 207.366,145.059 210.261,145.059 212.626,142.694 212.626,138.735 ; 207.899,97.612 207.95,97.663 ; v1@208.128,212.832 208.128,207.823 211.023,207.823 213.388,205.458 213.388,201.498 ; 208.204,159.309 208.255,159.36 ; 208.966,222.072 209.017,222.123
  Bottom Layer w1: 126.111,125.425 126.111,131.623 ; 126.873,188.189 126.873,194.386 ; 204.8,63.729 204.8,69.926 ; 205.105,125.425 205.105,131.623 ; 205.867,188.189 205.867,194.386
  Bottom Layer w1.5: v1(87.205,145.009) 87.205,122.301 87.205,118.237 87.205,107.601 87.198,107.594 125.298,107.594 ; v1(87.967,207.772) 87.967,185.064 87.967,181 87.967,170.364 87.96,170.358 126.06,170.358 ; 91.205,118.237 91.305,118.137 92.238,118.137 92.925,117.45 92.925,115.482 93.116,115.291 ; 91.205,122.301 91.23,122.326 92.238,122.326 92.925,123.014 92.925,125.412 93.116,125.603 ; 91.967,181 92.067,180.9 93,180.9 93.687,180.213 93.687,178.245 93.878,178.054 ; 91.967,185.064 91.992,185.09 93,185.09 93.687,185.777 93.687,188.175 93.878,188.366 ; 93.116,110.211 96.291,110.211 ; 93.878,172.974 97.053,172.974 ; 98.857,141.072 98.933,140.995 98.933,137.105 99.335,136.703 108.687,136.703 ; 99.466,110.211 96.291,110.211 ; 99.466,130.683 96.545,130.683 ; 99.619,203.835 99.695,203.759 99.695,199.868 100.097,199.466 109.449,199.466 ; 100.228,172.974 97.053,172.974 ; 100.228,193.446 97.307,193.446 ; 103.558,141.478 108.717,141.478 108.717,144.928 v1(108.636,145.009) ; 104.32,204.241 109.479,204.241 109.479,207.691 v1(109.398,207.772) ; 106.172,150.393 103.759,150.393 103.632,150.266 90.597,150.266 90.195,149.865 90.195,131.085 90.597,130.683 93.116,130.683 96.545,130.683 ; 106.197,155.372 106.922,156.096 ; 106.197,156.096 106.197,157.756 107.801,159.36 129.261,159.36 142.421,159.36 143.3,158.481 148.996,152.784 148.996,130.074 148.996,114.351 147.486,112.84 146.064,112.84 145.872,112.649 ; 106.934,213.157 104.521,213.157 104.394,213.03 91.359,213.03 90.957,212.628 90.957,193.848 91.359,193.446 93.878,193.446 97.307,193.446 ; 106.959,218.135 107.684,218.86 ; 106.959,218.86 106.959,220.52 108.563,222.123 130.023,222.123 143.183,222.123 144.062,221.244 149.758,215.547 149.758,192.837 149.758,177.114 148.248,175.604 146.826,175.604 146.634,175.412 ; 108.638,141.399 113.335,136.703 116.307,136.703 116.402,136.607 118.066,136.607 118.395,136.278 v1(118.53,136.278) ; 109.4,204.163 114.097,199.466 117.069,199.466 117.164,199.371 118.828,199.371 119.157,199.041 v1(119.292,199.041) ; 126.035,131.699 126.035,135.629 ; 126.797,194.462 126.797,198.393 ; 129.21,155.831 129.21,159.309 ; 129.718,107.595 129.718,113.792 ; 129.972,218.594 129.972,222.072 ; 130.041,135.636 130.067,135.661 v1@133.121,135.661 ; 130.48,170.358 130.48,176.555 ; 130.803,198.399 130.829,198.425 v1@133.883,198.425 ; 131.115,125.349 131.115,131.699 ; 131.191,127.914 132.944,127.914 ; 131.877,188.112 131.877,194.462 ; 131.953,190.678 133.706,190.678 ; v1(133.112,136.297) 133.121,136.287 v1@133.121,135.661 ; v2(133.299,130.073) 133.204,129.978 133.204,128.174 132.944,127.914 ; v1(133.874,199.06) 133.883,199.05 v1@133.883,198.425 ; v2(134.061,192.837) 133.966,192.741 133.966,190.938 133.706,190.678 ; 134.798,113.792 134.899,113.69 135.407,113.69 136.449,112.649 139.522,112.649 145.186,112.649 ; 135.56,176.555 135.661,176.454 136.169,176.454 137.211,175.412 140.284,175.412 145.948,175.412 ; 136.151,131.697 136.151,135.636 136.125,135.661 v1@133.121,135.661 ; 136.913,194.46 136.913,198.399 136.887,198.425 v1@133.883,198.425 ; 140.151,131.697 142.718,131.697 143.597,130.818 143.597,123.825 142.657,122.885 141.097,122.885 ; 140.151,135.636 142.799,135.636 145.872,132.563 145.872,117.729 ; 140.913,194.46 143.48,194.46 144.359,193.581 144.359,186.589 143.419,185.649 141.859,185.649 ; 140.913,198.399 143.561,198.399 146.634,195.326 146.634,180.492 ; 141.188,127.874 141.097,127.965 134.747,127.965 134.696,127.914 132.944,127.914 ; 141.95,190.637 141.859,190.729 135.509,190.729 135.458,190.678 133.706,190.678 ; v1(165.894,83.312) 165.894,60.604 165.894,56.54 165.894,45.904 165.887,45.898 203.987,45.898 ; v1(166.199,145.009) 166.199,122.301 166.199,118.237 166.199,107.601 166.192,107.594 204.292,107.594 ; v1(166.961,207.772) 166.961,185.064 166.961,181 166.961,170.364 166.954,170.358 205.054,170.358 ; 169.894,56.54 169.994,56.44 170.927,56.44 171.614,55.753 171.614,53.785 171.806,53.594 ; 169.894,60.604 169.919,60.63 170.927,60.63 171.614,61.317 171.614,63.715 171.806,63.906 ; 170.199,118.237 170.299,118.137 171.232,118.137 171.919,117.45 171.919,115.482 172.11,115.291 ; 170.199,122.301 170.224,122.326 171.232,122.326 171.919,123.014 171.919,125.412 172.11,125.603 ; 170.961,181 171.061,180.9 171.994,180.9 172.681,180.213 172.681,178.245 172.872,178.054 ; 170.961,185.064 170.986,185.09 171.994,185.09 172.681,185.777 172.681,188.175 172.872,188.366 ; 171.806,48.514 174.981,48.514 ; 172.11,110.211 175.285,110.211 ; 172.872,172.974 176.047,172.974 ; 177.546,79.375 177.622,79.299 177.622,75.408 178.024,75.006 187.376,75.006 ; 177.851,141.072 177.927,140.995 177.927,137.105 178.329,136.703 187.681,136.703 ; 178.156,48.514 174.981,48.514 ; 178.156,68.986 175.235,68.986 ; 178.46,110.211 175.285,110.211 ; 178.46,130.683 175.539,130.683 ; 178.613,203.835 178.689,203.759 178.689,199.868 179.091,199.466 188.443,199.466 ; 179.222,172.974 176.047,172.974 ; 179.222,193.446 176.301,193.446 ; 182.247,79.781 187.406,79.781 187.406,83.231 v1(187.325,83.312) ; 182.552,141.478 187.711,141.478 187.711,144.928 v1(187.63,145.009) ; 183.314,204.241 188.473,204.241 188.473,207.691 v1(188.392,207.772) ; 184.861,88.697 182.448,88.697 182.321,88.57 169.286,88.57 168.885,88.168 168.885,69.388 169.286,68.986 171.806,68.986 175.235,68.986 ; 184.887,93.675 185.611,94.4 ; 184.887,94.4 184.887,96.06 186.49,97.663 207.95,97.663 221.11,97.663 221.989,96.784 227.686,91.087 227.686,68.377 227.686,52.654 226.175,51.144 224.753,51.144 224.561,50.952 ; 185.166,150.393 182.753,150.393 182.626,150.266 169.591,150.266 169.189,149.865 169.189,131.085 169.591,130.683 172.11,130.683 175.539,130.683 ; 185.191,155.372 185.916,156.096 ; 185.191,156.096 185.191,157.756 186.795,159.36 208.255,159.36 221.415,159.36 222.294,158.481 227.99,152.784 227.99,130.074 227.99,114.351 226.48,112.84 225.058,112.84 224.866,112.649 ; 185.928,213.157 183.515,213.157 183.388,213.03 170.353,213.03 169.951,212.628 169.951,193.848 170.353,193.446 172.872,193.446 176.301,193.446 ; 185.953,218.135 186.678,218.86 ; 185.953,218.86 185.953,220.52 187.557,222.123 209.017,222.123 222.177,222.123 223.056,221.244 228.752,215.547 228.752,192.837 228.752,177.114 227.242,175.604 225.82,175.604 225.628,175.412 ; 187.327,79.703 192.024,75.006 194.996,75.006 195.091,74.911 196.755,74.911 197.084,74.581 v1(197.219,74.581) ; 187.632,141.399 192.329,136.703 195.301,136.703 195.396,136.607 197.06,136.607 197.389,136.278 v1(197.524,136.278) ; 188.394,204.163 193.091,199.466 196.063,199.466 196.158,199.371 197.822,199.371 198.151,199.041 v1(198.286,199.041) ; 204.724,70.002 204.724,73.933 ; 205.029,131.699 205.029,135.629 ; 205.791,194.462 205.791,198.393 ; 207.899,94.134 207.899,97.612 ; 208.204,155.831 208.204,159.309 ; 208.407,45.898 208.407,52.095 ; 208.712,107.595 208.712,113.792 ; 208.731,73.939 208.756,73.965 v1@211.811,73.965 ; 208.966,218.594 208.966,222.072 ; 209.035,135.636 209.061,135.661 v1@212.115,135.661 ; 209.474,170.358 209.474,176.555 ; 209.797,198.399 209.823,198.425 v1@212.877,198.425 ; 209.804,63.652 209.804,70.002 ; 209.88,66.218 211.633,66.218 ; 210.109,125.349 210.109,131.699 ; 210.185,127.914 211.938,127.914 ; 210.871,188.112 210.871,194.462 ; 210.947,190.678 212.7,190.678 ; v1(211.801,74.6) 211.811,74.59 v1@211.811,73.965 ; v2(211.988,68.377) 211.893,68.281 211.893,66.478 211.633,66.218 ; v1(212.106,136.297) 212.115,136.287 v1@212.115,135.661 ; v2(212.293,130.073) 212.198,129.978 212.198,128.174 211.938,127.914 ; v1(212.868,199.06) 212.877,199.05 v1@212.877,198.425 ; v2(213.055,192.837) 212.96,192.741 212.96,190.938 212.7,190.678 ; 213.487,52.095 213.589,51.994 214.097,51.994 215.138,50.952 218.211,50.952 223.876,50.952 ; 213.792,113.792 213.893,113.69 214.401,113.69 215.443,112.649 218.516,112.649 224.18,112.649 ; 214.554,176.555 214.655,176.454 215.163,176.454 216.205,175.412 219.278,175.412 224.942,175.412 ; 214.84,70 214.84,73.939 214.814,73.965 v1@211.811,73.965 ; 215.145,131.697 215.145,135.636 215.119,135.661 v1@212.115,135.661 ; 215.907,194.46 215.907,198.399 215.881,198.425 v1@212.877,198.425 ; 218.84,70 221.408,70 222.286,69.121 222.286,62.129 221.346,61.189 219.786,61.189 ; 218.84,73.939 221.488,73.939 224.561,70.866 224.561,56.032 ; 219.145,131.697 221.712,131.697 222.591,130.818 222.591,123.825 221.651,122.885 220.091,122.885 ; 219.145,135.636 221.793,135.636 224.866,132.563 224.866,117.729 ; 219.878,66.177 219.786,66.269 213.436,66.269 213.385,66.218 211.633,66.218 ; 219.907,194.46 222.474,194.46 223.353,193.581 223.353,186.589 222.413,185.649 220.853,185.649 ; 219.907,198.399 222.555,198.399 225.628,195.326 225.628,180.492 ; 220.182,127.874 220.091,127.965 213.741,127.965 213.69,127.914 211.938,127.914 ; 220.944,190.637 220.853,190.729 214.503,190.729 214.452,190.678 212.7,190.678 ; 96.291,110.211 96.291,130.429 96.545,130.683 ; 97.053,172.974 97.053,193.192 97.307,193.446 ; 174.981,48.514 174.981,68.732 175.235,68.986 ; 175.285,110.211 175.285,130.429 175.539,130.683 ; 176.047,172.974 176.047,193.192 176.301,193.446
  Bottom Layer w3: 106.172,150.393 106.172,155.346 ; 106.934,213.157 106.934,218.11 ; 184.861,88.697 184.861,93.65 ; 185.166,150.393 185.166,155.346 ; 185.928,213.157 185.928,218.11

## Polygon pours and split planes (outlines as drawn)
no net on Bottom Layer "NONET_L-01_P-001" (solid, pour order 5): 232.207,226.238 162.589,226.238 162.459,167.767 232.207,167.767
no net on Bottom Layer "NONET_L-01_P-001" (solid, pour order 4): 231.445,163.474 161.827,163.474 161.697,105.004 231.445,105.004
no net on Bottom Layer "NONET_L-01_P-001" (solid, pour order 3): 231.14,101.778 161.522,101.778 161.392,43.307 231.14,43.307
no net on Bottom Layer "NONET_L-01_P-001" (solid, pour order 2): 153.213,226.238 83.595,226.238 83.465,167.767 153.213,167.767
no net on Bottom Layer "NONET_L-01_P-001" (solid, pour order 1): 152.451,163.474 82.833,163.474 82.703,105.004 152.451,105.004
GND on Bottom Layer "NONET_L-01_P-001" (solid, pour order 0): 152.146,101.778 82.528,101.778 82.398,43.307 152.146,43.307

## Keep-outs
Keep-Out Layer:
  lines w0.254: 82.398,43.307 82.398,101.905 152.146,101.905 152.146,43.307 82.398,43.307 ; 82.702,105.004 152.451,105.004 152.451,163.601 82.702,163.601 82.702,105.004 ; 83.464,167.767 153.213,167.767 153.213,226.365 83.464,226.365 83.464,167.767 ; 161.392,43.307 231.14,43.307 231.14,101.905 161.392,101.905 161.392,43.307 ; 161.696,105.004 161.696,163.601 231.445,163.601 231.445,105.004 161.696,105.004 ; 162.458,167.767 162.458,226.365 232.207,226.365 232.207,167.767 162.458,167.767

## Other copper
Bottom Layer:
  pour cut-out: 209.702,95.961 189.865,95.961 189.865,89.332 209.702,89.332
  pour cut-out: 210.007,157.658 190.17,157.658 190.17,151.028 210.007,151.028
  pour cut-out: 210.769,220.421 190.932,220.421 190.932,213.792 210.769,213.792
  pour cut-out: 131.775,220.421 111.938,220.421 111.938,213.792 131.775,213.792
  pour cut-out: 131.013,157.658 111.176,157.658 111.176,151.028 131.013,151.028
  pour cut-out: 130.708,95.961 110.871,95.961 110.871,89.332 130.708,89.332